# KiCad board output.Panel_R0.5.1_300x300_2layer_step1_Modified_1and5_only.kicad_pcb (continued)
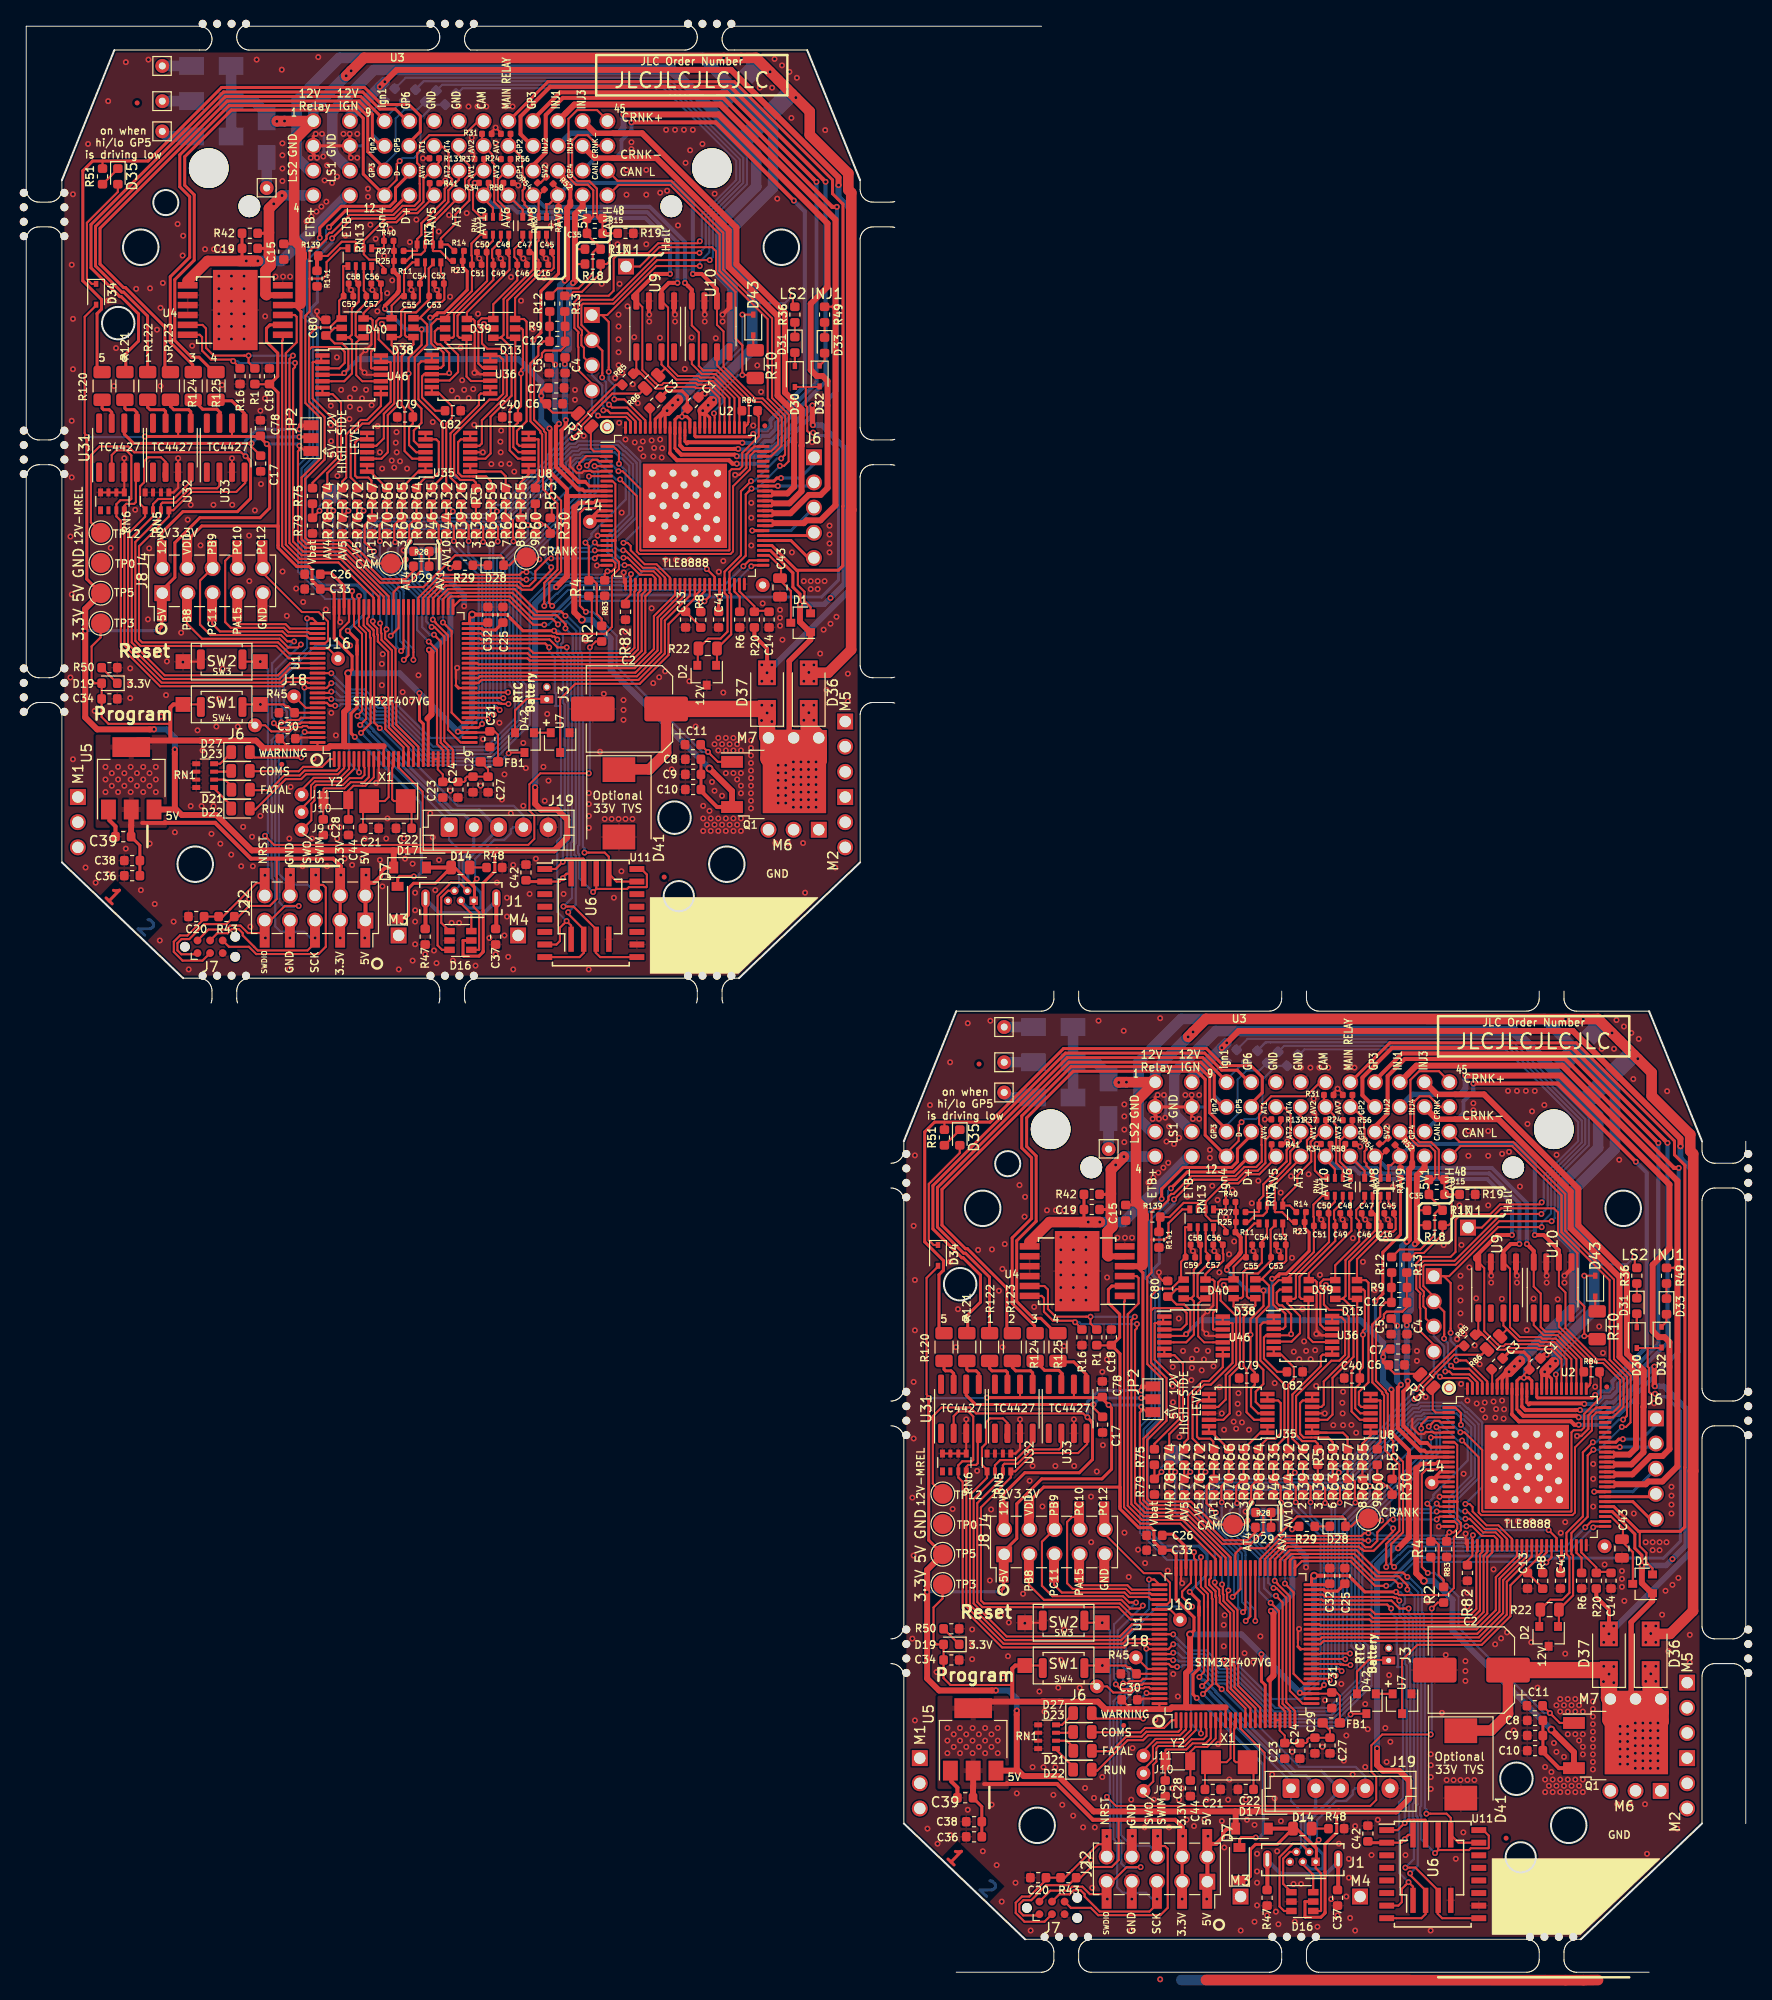
[diagram p0: board, top side]
## Routing (per net, layer and track width the routed paths; a pad name or vN(x,y) marks a point on that pad's centre or on a via; arc(x,y) is an arc through that point) (continued)
/TLE8888-1QK/IGN_OUT_1: length 157.6
  Top w0.203: v1(153,75.2) 148.6,75.2 143.66,70.25 U3#2.J51 ; U3.J51 58.66,167.25 63.6,172.2 v1(68,172.2)
  Top w0.216: U2#2.96 147.5,59.63 145.38,61.74 v1(144.37,61.74) ; v1(143.81,64.54) 143.81,69.57 143.12,70.25 U3#2.J51 ; U3.J51 58.12,167.25 58.81,166.57 v1(58.81,161.54) ; v1(59.37,158.74) 60.38,158.74 62.5,156.63 U2.96
  Bottom w0.203: R21#2.2 125.15,93.85 125.65,93.85 ; 125.65,93.85 149.65,93.85 157.4,86.1 157.4,83.59 153.96,80.15 153.96,76.58 153,75.62 v1(153,75.2) ; 125.65,93.85 125.1,93.85 124.4,93.15 124.4,93 ; R21.2 40.15,190.85 40.65,190.85 ; 40.65,190.85 64.65,190.85 72.4,183.1 72.4,180.59 68.96,177.15 68.96,173.58 68,172.62 v1(68,172.2) ; 40.65,190.85 40.1,190.85 39.4,190.15 39.4,190
  Bottom w0.216: v1(144.37,61.74) 144.37,63.15 143.81,63.72 v1(143.81,64.54) ; v1(58.81,161.54) 58.81,160.72 59.37,160.15 v1(59.37,158.74)
/TLE8888-1QK/IGN_OUT_2: length 163.8
  Top w0.203: U3#2.J52 142.1,68.2 141.05,69.25 141.05,71.26 141.19,71.4 144.3,71.4 148.7,75.8 v1(154,75.8) ; v1(69,172.8) 63.7,172.8 59.3,168.4 56.19,168.4 56.05,168.26 56.05,166.25 57.1,165.2 U3.J52
  Top w0.216: U3#2.J52 143.16,66.65 143.16,64.4 143.14,64.38 v1(143.14,63.95) ; v1(143.84,61.21) 144.14,60.91 145.67,60.91 147,59.58 U2#2.97 ; U3.J52 58.16,163.65 58.16,161.4 58.14,161.38 v1(58.14,160.95) ; U2.97 62,156.58 60.67,157.91 59.14,157.91 v1(58.84,158.21)
  Bottom w0.203: R33#2.2 123.31,94.21 149.8,94.21 157.76,86.25 157.76,83.45 154.31,80 154.31,76.11 v1(154,75.8) ; v1(69,172.8) 69.31,173.11 69.31,177 72.76,180.45 72.76,183.25 64.8,191.21 38.31,191.21 R33.2
  Bottom w0.216: v1(143.84,61.21) 143.54,61.51 143.54,63.46 143.14,63.86 v1(143.14,63.95) ; v1(58.84,158.21) 58.54,158.51 58.54,160.46 58.14,160.86 v1(58.14,160.95)
/TLE8888-1QK/IGN_OUT_3: length 151.5
  Top w0.203: U3#2.J53 141.3,65.97 141.3,66.95 141.05,67.21 141.05,68.22 141.1,68.27 141.1,68.7 140.69,69.1 140.69,71.4 141.09,71.8 144.2,71.8 148.93,76.53 v1(152.97,76.53) ; U3.J53 56.3,162.97 56.3,163.95 56.05,164.21 56.05,165.22 56.1,165.27 56.1,165.7 55.69,166.1 55.69,168.4 56.09,168.8 59.2,168.8 63.93,173.53 v1(67.97,173.53)
  Top w0.216: U2#2.98 146.5,59.54 145.7,60.35 143.97,60.35 143.69,60.63 v1(143.26,60.63) ; U2.98 61.5,156.54 60.7,157.35 58.97,157.35 58.69,157.63 v1(58.26,157.63)
  Bottom w0.203: v1(152.97,76.53) 153.6,77.17 153.6,80.3 157.04,83.74 157.04,85.96 149.5,93.5 127,93.5 R80#2.2 ; v1(67.97,173.53) 68.6,174.17 68.6,177.3 72.04,180.74 72.04,182.96 64.5,190.5 42,190.5 R80.2
  Bottom w0.216: U3#2.J53 142.1,64.2 143.16,63.14 143.16,61.16 143.26,61.06 v1(143.26,60.63) ; U3.J53 57.1,161.2 58.16,160.14 58.16,158.16 58.26,158.06 v1(58.26,157.63)
/TLE8888-1QK/IGN_OUT_4: length 150.2
  Top w0.203: v1(153,77.7) 152.8,77.5 148.8,77.5 147.8,76.5 144.85,76.5 144.3,75.95 144.3,72.7 143.8,72.2 140.8,72.2 140.75,72.15 140.75,71.96 140.34,71.55 140.34,68.96 140.75,68.55 140.75,68.42 140.69,68.37 140.69,67.06 140.75,67.01 140.75,64.69 142.1,63.33 U3#2.J54 ; U3.J54 57.1,160.33 55.75,161.69 55.75,164.01 55.69,164.06 55.69,165.37 55.75,165.42 55.75,165.55 55.34,165.96 55.34,168.55 55.75,168.96 55.75,169.15 55.8,169.2 58.8,169.2 59.3,169.7 59.3,172.95 59.85,173.5 62.8,173.5 63.8,174.5 67.8,174.5 v1(68,174.7)
  Top w0.216: v1(142.73,60.1) 142.86,59.97 145.55,59.97 146,59.52 U2#2.99 ; v1(57.73,157.1) 57.86,156.97 60.55,156.97 61,156.52 U2.99
  Bottom w0.203: v1(153,77.7) 153.2,77.9 153.2,80.4 156.69,83.89 156.69,85.81 149.36,93.14 148.6,93.14 ; 148.6,93.14 129.04,93.14 128.5,92.6 R81#2.2 ; 148.6,93.14 148.66,93.14 ; v1(68,174.7) 68.2,174.9 68.2,177.4 71.69,180.89 71.69,182.81 64.36,190.14 63.6,190.14 ; 63.6,190.14 63.66,190.14 ; 63.6,190.14 44.04,190.14 43.5,189.6 R81.2
  Bottom w0.216: v1(142.73,60.1) 142.1,60.73 U3#2.J54 ; U3.J54 57.1,157.73 v1(57.73,157.1)
/TLE8888-1QK/IN_9: length 53.7
  Top w0.216: U1#2.41 146.43,34.62 148.37,36.55 148.37,39.88 150.5,42.01 U2#2.36 ; U2.36 65.5,139.01 63.37,136.88 63.37,133.55 61.43,131.62 U1.41
/TLE8888-1QK/IN_10: length 55.1
  Top w0.216: U1#2.40 130.56,34.12 130.61,34.16 146.5,34.16 148.74,36.4 148.74,39.72 151,41.99 U2#2.37 ; U1.40 45.56,131.12 45.61,131.16 61.5,131.16 63.74,133.4 63.74,136.72 66,138.99 U2.37
/TLE8888-1QK/IN_11: length 56.6
  Top w0.216: U2#2.38 151.5,41.97 149.1,39.57 149.1,36.25 146.65,33.79 130.82,33.79 130.64,33.62 U1#2.39 ; U2.38 66.5,138.97 64.1,136.57 64.1,133.25 61.65,130.79 45.82,130.79 45.64,130.62 U1.39
/TLE8888-1QK/IN_12: length 58
  Top w0.216: U1#2.38 130.66,33.12 130.97,33.43 146.81,33.43 149.47,36.09 149.47,39.42 152,41.94 U2#2.39 ; U1.38 45.66,130.12 45.97,130.43 61.81,130.43 64.47,133.09 64.47,136.42 67,138.94 U2.39
/TLE8888-1QK/INJ_EN: length 49.5
  Top w0.203: U2#2.24 144.19,45.5 144.48,45.21 144.48,44.77 144.1,44.39 v1(143.68,44.39) 143.4,44.11 R83#2.1 ; v1(135.5,44.32) 135.08,44.32 134.8,44.04 126.91,44.04 124.59,41.73 U1#2.58 ; v1(50.5,141.32) 50.08,141.32 49.8,141.04 41.91,141.04 39.59,138.73 U1.58 ; U2.24 59.19,142.5 59.48,142.21 59.48,141.77 59.1,141.39 v1(58.68,141.39) 58.4,141.11 R83.1
  Bottom w0.203: v1(143.68,44.39) 143.36,44.07 136.17,44.07 135.92,44.32 v1(135.5,44.32) ; v1(58.68,141.39) 58.36,141.07 51.17,141.07 50.92,141.32 v1(50.5,141.32)
/TLE8888-1QK/INJ_IN_1: length 47
  Top w0.216: U1#2.45 135.73,36.62 136.19,36.15 145.88,36.15 146.4,36.66 146.4,42.33 146.5,42.43 U2#2.28 ; U1.45 50.73,133.62 51.19,133.15 60.88,133.15 61.4,133.66 61.4,139.33 61.5,139.43 U2.28
/TLE8888-1QK/INJ_IN_2: length 48.3
  Top w0.216: U1#2.44 135.62,36.12 135.99,35.75 146,35.75 146.77,36.51 146.77,42.18 147,42.41 U2#2.29 ; U1.44 50.62,133.12 50.99,132.75 61,132.75 61.77,133.51 61.77,139.18 62,139.41 U2.29
/TLE8888-1QK/INJ_IN_3: length 49.5
  Top w0.216: U1#2.43 135.6,35.62 135.84,35.38 146.15,35.38 147.13,36.36 147.13,42.03 147.5,42.39 U2#2.30 ; U2.30 62.5,139.39 62.13,139.03 62.13,133.36 61.15,132.38 50.84,132.38 50.6,132.62 U1.43
/TLE8888-1QK/INJ_IN_4: length 50.8
  Top w0.216: U1#2.42 130.56,35.12 130.67,35.01 146.3,35.01 147.5,36.21 147.5,41.87 148,42.37 ; 148,42.37 U2#2.31 ; 148,42.37 147.99,42.37 ; U2.31 63,139.37 ; 63,139.37 62.5,138.87 62.5,133.21 61.3,132.01 45.67,132.01 45.56,132.12 U1.42 ; 63,139.37 62.99,139.37
/TLE8888-1QK/KEY: length 9.8
  Top w0.216: R20#2.1 158.51,40.86 157,42.37 U2#2.49 ; 158.55,40.41 160.03,40.41 ; R20.1 73.51,137.86 72,139.37 U2.49 ; 73.55,137.41 75.03,137.41
/TLE8888-1QK/LIN_RX: length 43.1
  Top w0.203: v1(142.4,45.7) 142.7,46 U2#2.23 ; v1(57.4,142.7) 57.7,143 U2.23
  Top w0.216: U1#2.56 125.59,41.71 127.2,43.33 134.77,43.33 135.2,42.9 135.76,42.9 136.4,43.54 136.4,44.4 137.7,45.7 v1(138,45.7) ; U1.56 40.59,138.71 42.2,140.33 49.77,140.33 50.2,139.9 50.76,139.9 51.4,140.54 51.4,141.4 52.7,142.7 v1(53,142.7)
  Bottom w0.216: v1(142.4,45.7) v1(138,45.7) ; v1(57.4,142.7) v1(53,142.7)
/TLE8888-1QK/LIN_TX: length 44.9
  Top w0.203: v1(142.4,46.5) 142.4,46.5 U2#2.22 ; v1(57.4,143.5) 57.4,143.5 U2.22
  Top w0.216: U1#2.55 126.09,41.69 127.34,42.95 127.41,42.95 127.42,42.96 128.17,42.96 128.17,42.96 134.54,42.96 134.8,42.7 134.88,42.7 135.05,42.53 136.03,42.53 138,44.5 v1(138,44.8) ; U1.55 41.09,138.69 42.34,139.95 42.41,139.95 42.42,139.96 43.17,139.96 43.17,139.96 49.54,139.96 49.8,139.7 49.88,139.7 50.05,139.53 51.03,139.53 53,141.5 v1(53,141.8)
  Bottom w0.216: v1(142.4,46.5) 142.26,46.36 137.78,46.36 137.44,46.02 137.44,45.36 v1(138,44.8) ; v1(53,141.8) 52.44,142.36 52.44,143.02 52.78,143.36 57.26,143.36 v1(57.4,143.5)
/TLE8888-1QK/OUT_7: length 12
  Top w0.305: U3#2.J14 142.5,50 U2#2.15 ; U3#2.J14 141.9,49.65 142.75,50.5 U2#2.14 ; U3#2.J14 142,49.5 U2#2.16 ; U3.J14 56.9,146.65 57.75,147.5 U2.14 ; U3.J14 57,146.5 U2.16 ; U3.J14 57.5,147 U2.15
/TLE8888-1QK/OUT_14: length 13
  Top w0.305: U2#2.68 160.48,53.5 160.78,53.8 v1(161.2,53.8) ; U2.68 75.48,150.5 75.78,150.8 v1(76.2,150.8)
  Bottom w0.305: v1(161.2,53.8) 163.1,53.8 164.53,55.23 U3#2.J61 ; v1(76.2,150.8) 78.1,150.8 79.53,152.23 U3.J61
/TLE8888-1QK/OUT_15: length 10.6
  Top w0.305: v1(160.88,53) 160.87,53 U2#2.67 ; v1(75.88,150) 75.87,150 U2.67
  Bottom w0.305: v1(160.88,53) 160.88,53 164.17,53 U3#2.J62 ; v1(75.88,150) 75.88,150 79.17,150 U3.J62
/TLE8888-1QK/OUT_16: length 16.6
  Top w0.305: 158.3,48.5 v1(158.3,48.5) 159.4,48.5 U2#2.58 ; 73.3,145.5 v1(73.3,145.5) 74.4,145.5 U2.58
  Bottom w0.305: v1(158.3,48.5) 162.21,48.5 U3#2.J63 ; U3.J63 77.21,145.5 v1(73.3,145.5)
/TLE8888-1QK/OUT_17: length 10.5
  Top w0.305: U2.57 79.24,145 79.52,145.28 ; 164.52,48.28 164.24,48 U2#2.57
/TLE8888-1QK/OUT_18: length 11.7
  Top w0.305: U2#2.56 162.2,47.5 163.96,45.74 164.52,45.74 ; 79.52,142.74 78.96,142.74 77.2,144.5 U2.56
/TLE8888-1QK/RST: length 43.9
  Top w0.216: R2#2.1 143.1,39.6 142.6,40.1 142.6,43.15 142.28,43.47 R4#2.2 141.8,46.95 v1(141.46,47.29) ; v1(144.84,55.24) 144.84,56.43 144.28,57 U2#2.1 ; v1(56.46,144.29) 56.8,143.95 56.8,140.48 57.28,140.48 57.6,140.15 57.6,137.1 58.1,136.6 R2.1 ; U2.1 59.28,154 59.84,153.43 v1(59.84,152.24)
  Bottom w0.216: v1(144.84,55.24) 145.52,54.57 145.52,51.63 142.07,48.18 142.07,47.9 v1(141.46,47.29) ; v1(56.46,144.29) 57.07,144.9 57.07,145.18 60.52,148.63 60.52,151.57 v1(59.84,152.24)
/TLE8888-1QK/TLE_MON: length 8.1
  Top w0.203: 142,59.1 142,56.8 142.3,56.5 U2#2.2 ; 57,156.1 57,153.8 57.3,153.5 U2.2
/TLE8888-1QK/VR+: length 113.2
  Top w0.203: R12#2.2 137.85,69.11 ; 137.9,69.11 137.89,69.1 ; 137.85,69.11 137.85,67.61 ; 138.63,46.83 138.63,51.23 137.7,52.17 ; 52.9,166.11 52.89,166.1 ; 52.85,166.11 52.85,164.61 ; R12.2 52.85,166.11 ; 52.7,149.17 53.63,148.23 53.63,143.83
  Top w0.216: v1(157.4,44.9) 158,45.5 U2#2.52 ; C12#2.1 137.23,67.6 136.7,67.07 136.7,66.18 135.9,65.38 135.9,59.54 136.9,58.53 136.9,58.39 137.09,58.2 137.09,54.01 137.17,53.92 137.17,52.69 137.7,52.17 ; 138.63,46.83 138.63,44.55 137.3,43.22 v1(137.3,40.9) ; 52.7,149.17 52.17,149.69 52.17,150.92 52.08,151.01 52.08,155.2 51.9,155.39 51.9,155.53 50.9,156.54 50.9,162.38 51.7,163.18 51.7,164.07 52.23,164.6 C12.1 ; v1(72.4,141.9) 73,142.5 U2.52 ; v1(52.3,137.9) 52.3,140.22 53.63,141.55 53.63,143.83
  Bottom w0.216: v1(137.3,40.9) 138.52,42.12 138.61,42.12 139.48,42.98 145.06,42.98 145.12,42.92 146.25,42.92 146.32,42.99 155.49,42.99 v1(157.4,44.9) ; v1(52.3,137.9) 53.52,139.12 53.61,139.12 54.48,139.98 60.06,139.98 60.12,139.92 61.25,139.92 61.32,139.99 70.49,139.99 v1(72.4,141.9)
/TLE8888-1QK/VR-: length 113.4
  Top w0.203: R13#2.2 139.37,69.11 ; 139,46.98 139,51.52 138,52.52 ; 139.37,69.1 139.37,67.6 ; 54,143.98 54,148.52 53,149.52 ; R13.2 54.37,166.11 ; 54.37,166.1 54.37,164.6
  Top w0.216: 139,46.98 139,44.4 137.8,43.2 137.8,41.2 v1(138.1,40.9) ; U2#2.51 158.3,45 v1(158.2,44.9) ; C12#2.2 139.4,67.12 138.95,66.67 137.35,66.67 137.06,66.39 137.06,66.02 136.27,65.23 136.27,59.69 137.27,58.69 137.27,58.54 137.45,58.36 137.45,54.16 138,53.61 138,52.52 ; v1(73.2,141.9) 73.3,142 U2.51 ; v1(53.1,137.9) 52.8,138.2 52.8,140.2 54,141.4 54,143.98 ; 53,149.52 53,150.61 52.45,151.16 52.45,155.36 52.27,155.54 52.27,155.69 51.27,156.69 51.27,162.23 52.06,163.02 52.06,163.39 52.35,163.67 53.95,163.67 54.4,164.12 C12.2
  Bottom w0.216: v1(138.1,40.9) 139.71,42.51 155.81,42.51 v1(158.2,44.9) ; v1(73.2,141.9) 70.81,139.51 54.71,139.51 v1(53.1,137.9)
/TLE8888-1QK/WAKE: length 5.8
  Top w0.216: 157.03,40.44 157.03,41.82 156.5,42.35 U2#2.48 ; U2.48 71.5,139.35 72.03,138.82 72.03,137.44
/TLE_OUT10_PRE: length 111.9
  Top w0.203: v1(144.96,53.66) 146.64,51.98 146.64,46.4 146.9,46.14 156.1,46.14 156.36,46.4 156.36,52.97 158.07,54.69 158.07,56.05 158.52,56.5 U2#2.74 160.2,56.5 160.9,57.2 160.9,58.04 160.92,58.06 160.92,59.76 159.19,61.49 158.43,61.49 154.74,65.18 154.74,66.53 ; v1(138.05,51) 138.05,49.93 R30#2.1 ; v1(59.96,150.66) 61.64,148.98 61.64,143.4 61.9,143.14 71.1,143.14 71.36,143.4 71.36,149.97 73.07,151.69 73.07,153.05 73.52,153.5 U2.74 75.2,153.5 75.9,154.2 75.9,155.04 75.92,155.06 75.92,156.76 74.19,158.49 73.43,158.49 69.73,162.18 U10.3 ; R30.1 53.05,146.93 v1(53.05,148)
  Bottom w0.203: v1(138.05,51) 140.19,53.14 140.19,55.04 140.59,55.44 141.17,55.44 141.4,55.66 142.53,55.66 144.53,53.66 v1(144.96,53.66) ; v1(59.96,150.66) 59.53,150.66 57.53,152.66 56.4,152.66 56.17,152.44 55.59,152.44 55.19,152.04 55.19,150.14 v1(53.05,148)
/TLE_OUT11_PRE: length 23.6
  Top w0.203: U10#2.1 152.19,65.31 153.21,64.3 154.59,64.3 157,61.89 ; U2#2.77 157,61.89 ; 157,61.89 157,61.11 157.26,60.85 R84#2.1 ; U10.1 67.19,162.31 68.21,161.3 69.59,161.3 72,158.89 ; 72,158.89 72,158.11 72.26,157.85 R84.1 ; 72,158.89 U2.77
/TLE_OUT12_PRE: length 30.2
  Top w0.203: U9#2.3 149.13,65.26 150.65,63.74 ; 150.65,63.74 152.76,63.74 152.91,63.59 154.29,63.59 156,61.88 U2#2.79 ; 150.65,63.74 149.53,64.86 149.48,64.86 R86.1 ; R86#2.1 64.48,161.86 64.53,161.86 65.65,160.74 ; 65.65,160.74 67.76,160.74 67.91,160.59 69.29,160.59 71,158.88 U2.79 ; 65.65,160.74 64.14,162.26 U9.3
/TLE_OUT13_PRE: length 34.1
  Top w0.203: U2#2.81 155,61.88 154,62.88 152.62,62.88 152.5,63 149.47,63 149.3,62.83 148.57,62.83 146.59,64.81 U9#2.1 ; U2.81 70,158.88 69,159.88 67.62,159.88 67.5,160 64.47,160 64.3,159.83 63.57,159.83 61.59,161.81 U9.1
  Top w0.216: R85#2.1 147.07,64.33 147.37,64.03 ; R85#2.1 146.49,64.54 146.86,64.54 146.93,64.47 ; R85#2.1 146.59,64.65 146.59,64.81 ; R85.1 61.49,161.54 61.86,161.54 61.93,161.47 ; R85.1 62.07,161.33 62.37,161.03 ; R85.1 61.59,161.65 61.59,161.81
/USB_D+: length 200
  Top w0.203: v1(118.44,29.79) 118.44,29.84 118.9,30.3 118.9,38.07 118.09,38.89 U1#2.71 118.09,41.59 117.9,41.78 v1(117.9,42.4) ; v1(33.44,126.79) 33.44,126.84 33.9,127.3 33.9,135.07 33.09,135.89 U1.71 33.09,138.59 32.9,138.78 v1(32.9,139.4)
  Top w0.216: D16#2.6 129.93,9.84 128.88,10.9 J1#2.3 ; J1.3 43.88,107.9 44.93,106.84 D16.6
  Top w0.305: v1(115.57,79.11) 117.22,80.77 121.89,80.77 123.45,82.33 123.68,82.33 ; 38.68,179.33 38.45,179.33 36.89,177.77 32.22,177.77 v1(30.57,176.11)
  Bottom w0.203: 113.85,43.45 114.8,42.5 117.8,42.5 v1(117.9,42.4) ; v1(115.57,79.11) 115.27,78.81 115.27,77.67 113.34,75.75 113.34,70.17 113.96,69.56 113.96,55.93 112.79,54.77 112.79,44.51 113.8,43.5 ; v1(30.57,176.11) 30.27,175.81 30.27,174.67 28.34,172.75 28.34,167.17 28.96,166.56 28.96,152.93 27.79,151.77 27.79,141.51 28.8,140.5 ; 28.85,140.45 29.8,139.5 32.8,139.5 v1(32.9,139.4)
  Bottom w0.305: J1#2.3 129.6,10.42 130.84,10.42 130.9,10.48 130.9,11.92 129.58,13.25 129.58,15.32 132.69,18.44 J19#2.3 132.52,18.56 130.77,20.31 128.06,20.31 120.09,28.28 120.09,28.36 118.95,29.49 118.74,29.49 v1(118.44,29.79) ; 123.36,81.82 123.36,82.27 ; 38.36,178.82 38.36,179.27 ; J1.3 44.6,107.42 45.84,107.42 45.9,107.48 45.9,108.92 44.58,110.25 44.58,112.32 47.69,115.44 J19.3 47.52,115.56 45.77,117.31 43.06,117.31 35.09,125.28 35.09,125.36 33.95,126.49 33.74,126.49 v1(33.44,126.79)
/USB_D-: length 206.1
  Top w0.203: 119.3,37.4 119.3,38.18 118.59,38.89 U1#2.70 118.59,41.89 v1(118.6,41.9) ; 119.3,37.4 119.3,36.8 ; 119.3,37.4 119.3,29.48 v1(118.71,28.88) ; 34.3,134.4 34.3,135.18 33.59,135.89 U1.70 33.59,138.89 v1(33.6,138.9) ; 34.3,134.4 34.3,133.8 ; 34.3,134.4 34.3,126.48 v1(33.71,125.88)
  Top w0.216: J1#2.2 128.7,12.97 127.88,12.97 126.53,11.62 126.53,6.64 126.99,6.18 D16#2.3 ; D16.3 41.99,103.18 41.53,103.64 41.53,108.62 42.88,109.97 43.7,109.97 J1.2
  Top w0.305: v1(114.63,78.05) 114.63,79.06 116.8,81.23 121.7,81.23 122.28,81.8 122.28,83.08 123.68,84.49 ; 38.68,181.49 37.28,180.08 37.28,178.8 36.7,178.23 31.8,178.23 29.63,176.06 v1(29.63,175.05)
  Bottom w0.203: v1(118.6,41.9) 118.3,41.6 115.2,41.6 112.44,44.36 112.44,55.04 113.6,56.2 113.6,69.41 112.99,70.03 112.99,76.41 v1(114.63,78.05) ; v1(29.63,175.05) 27.99,173.41 27.99,167.03 28.6,166.41 28.6,153.2 27.44,152.04 27.44,141.36 30.2,138.6 33.3,138.6 v1(33.6,138.9)
  Bottom w0.305: J1#2.2 129.12,12.56 129.12,15.55 130.19,16.62 J19#2.2 130.19,18.86 129.2,19.84 127.88,19.84 119.63,28.09 119.63,28.15 118.89,28.88 v1(118.71,28.88) ; J1.2 44.12,109.56 44.12,112.55 45.19,113.62 J19.2 45.19,115.86 44.2,116.84 42.88,116.84 34.63,125.09 34.63,125.15 33.89,125.88 v1(33.71,125.88)
Net-(C3-Pad2): length 3.9
  Top w0.203: U2#2.95 148,60.79 C3.2 ; U2.95 63,157.79 C3#2.2
Net-(C16-Pad1): length 52.4
  Top w0.203: 138.08,76.6 138.08,77.13 137.53,77.69 RN2#2.8 ; C16.1 53.08,174.13 52.53,174.69 RN2.8
  Top w0.216: 138.08,76.6 138.08,76.28 138.26,76.11 138.26,74.99 138.02,74.75 137.14,74.75 134.35,71.96 D13#2.6 135.25,69.85 135.51,69.59 135.51,59.54 134.54,58.57 134.54,57.29 134.78,57.06 U8#2.5 ; U8.5 49.78,154.06 49.54,154.29 49.54,155.57 50.51,156.54 50.51,166.59 50.25,166.85 D13.6 49.35,168.96 52.14,171.75 53.02,171.75 53.26,171.99 53.26,173.11 53.08,173.28 C16.1
Net-(C17-Pad1): length 44.4
  Top w0.216: v1(107.75,57.3) 107.75,56.97 C17#2.1 ; v1(22.75,154.3) 22.75,153.97 C17.1
  Top w0.305: 112.59,57.97 v1(112.58,57.96) 113.62,57.96 JP2#2.2 ; v1(107.75,57.3) 107.74,57.3 95.84,57.3 94.9,58.24 94.9,59.24 ; v1(22.75,154.3) 22.74,154.3 10.84,154.3 9.9,155.24 9.9,156.24 ; JP2.2 28.62,154.96 v1(27.58,154.96) 27.59,154.97
  Bottom w0.305: v1(112.58,57.96) 108.41,57.96 v1(107.75,57.3) ; v1(27.58,154.96) 23.41,154.96 v1(22.75,154.3)
Net-(C21-Pad1): length 18
  Top w0.203: U1#2.12 121.59,21.6 121.18,21.2 119.62,21.2 119,20.59 C21#2.1 ; U1.12 36.59,118.6 36.18,118.2 X1.2 34,117.59 C21.1
Net-(C22-Pad1): length 17.9
  Top w0.203: 124.21,18.45 123.85,18.45 ; C22#2.1 123.91,20.61 X1#2.1 122.11,21.2 121.94,21.37 121.94,24.53 121.99,24.58 121.99,25.34 U1#2.13 ; 39.21,115.45 38.85,115.45 ; U1.13 36.99,122.34 36.99,121.58 36.94,121.53 36.94,118.37 37.11,118.2 X1.1 38.91,117.61 C22.1
Net-(C25-Pad1): length 7.5
  Top w0.216: 129.77,38.63 U1#2.49 ; 44.77,135.63 U1.49
  Top w0.305: C25#2.1 132.38,38.47 131.13,38.47 130.98,38.62 U1#2.49 ; U1.49 45.98,135.62 46.13,135.47 47.38,135.47 C25.1
Net-(C26-Pad1): length 10.1
  Top w0.305: 114.71,44.22 115.78,44.22 117.09,42.91 U1#2.73 ; U1.73 32.09,139.91 30.78,141.22 29.71,141.22
Net-(C28-Pad1): length 19.9
  Top w0.203: C28#2.1 114.99,21.28 Y2#2.1 115.01,22.4 115.09,22.48 117.12,22.48 117.52,22.88 117.53,22.88 117.75,23.1 119.08,23.1 ; C28.1 29.99,118.28 Y2.1 30.01,119.4 30.09,119.48 32.12,119.48 32.52,119.88 32.53,119.88 32.75,120.1 34.08,120.1
  Top w0.216: 119.08,23.1 119.59,23.61 U1#2.8 ; U1.8 34.59,120.61 34.08,120.1
Net-(C44-Pad2): length 15.8
  Top w0.203: U1#2.9 120.09,23.6 119.23,22.74 118.93,22.74 118.93,22.75 118.03,22.75 117.51,22.22 Y2#2.2 117.53,21.28 C44#2.2 ; U1.9 35.09,120.6 34.23,119.74 33.93,119.74 33.93,119.75 33.03,119.75 32.51,119.23 Y2.2 32.53,118.28 C44.2
Net-(C45-Pad1): length 53.4
  Top w0.203: C45#2.1 136.73,75.8 136.56,75.97 136.56,77.6 136.73,77.76 RN2#2.7 ; RN2.7 51.73,174.76 51.56,174.6 51.56,172.97 51.73,172.8 C45.1
  Top w0.216: 134.71,68.02 134.37,67.68 134.37,61.27 133.81,60.71 133.81,56.59 134.64,55.76 U8#2.3 ; C45#2.1 136.73,74.88 133.56,71.72 133.56,68 133.61,67.95 D13#2.4 ; C45.1 51.73,171.88 48.56,168.72 48.56,165 48.61,164.95 D13.4 ; U8.3 49.64,152.76 48.81,153.59 48.81,157.71 49.37,158.27 49.37,164.68 49.71,165.02
Net-(C46-Pad1): length 56.7
  Top w0.203: RN2#2.6 135.93,77.34 135.79,77.21 C46#2.1 ; C46.1 50.8,174.21 50.93,174.34 RN2.6
  Top w0.216: 132.9,67.95 132.98,67.95 134,66.94 134,62.11 131.88,59.99 131.88,56.28 131.36,55.76 U8#2.12 ; 132.9,67.95 132.9,67.99 132.95,68.04 ; 132.9,67.95 133.19,68.25 133.19,71.87 136.17,74.85 136.17,76.52 136.09,76.6 C46#2.1 ; 132.9,67.95 D13#2.3 ; 47.9,164.95 47.9,164.99 47.95,165.04 ; 47.9,164.95 D13.3 ; 47.9,164.95 48.19,165.25 48.19,168.87 51.17,171.85 51.17,173.52 51.09,173.6 C46.1 ; 47.9,164.95 47.98,164.95 49,163.94 49,159.11 46.88,156.99 46.88,153.28 46.36,152.76 U8.12
Net-(C47-Pad1): length 56.5
  Top w0.203: RN2#2.5 135.13,77.76 134.98,77.62 134.95,77.62 134.28,76.94 134.28,76.11 134.57,75.82 C47#2.1 ; C47.1 49.57,172.82 49.28,173.11 49.28,173.94 49.95,174.62 49.98,174.62 50.13,174.76 RN2.5
  Top w0.216: C47#2.1 134.57,73.77 132.15,71.35 D13#2.1 132.09,69.92 130.98,69.92 130.65,69.59 130.65,69.09 131.02,68.72 131.02,67.38 131.55,66.85 132.85,66.85 133.52,66.18 133.52,62.15 131,59.63 131,57.29 130.76,57.06 U8#2.10 ; C47.1 49.57,170.77 47.15,168.35 D13.1 47.09,166.92 45.98,166.92 45.65,166.59 45.65,166.09 46.02,165.72 46.02,164.38 46.55,163.85 47.85,163.85 48.52,163.18 48.52,159.15 46,156.63 46,154.29 45.76,154.06 U8.10
Net-(C48-Pad1): length 34.2
  Top w0.216: RN4#2.8 133.72,76.68 C48#2.1 133.64,76.28 133.79,76.13 133.79,74.82 129.49,70.53 D39#2.3 130.1,69.85 130.28,69.67 130.28,68.92 130.65,68.55 130.65,65.36 131.08,64.93 U36#2.12 ; U36.12 46.08,161.93 45.65,162.36 45.65,165.55 45.28,165.92 45.28,166.67 45.1,166.85 D39.3 44.49,167.53 48.79,171.82 48.79,173.13 48.64,173.28 C48.1 48.72,173.68 RN4.8
Net-(C49-Pad1): length 39.4
  Top w0.216: RN4#2.7 132.92,77.75 132.03,76.87 132.03,76.03 132.16,75.91 132.16,73.8 128.55,70.2 128.55,68.15 128.74,67.95 D39#2.1 129.45,67.92 129.45,64.05 129.9,63.6 131.76,63.6 131.84,63.52 ; 46.84,160.52 46.76,160.6 44.9,160.6 44.45,161.05 44.45,164.92 D39.1 43.74,164.95 43.55,165.15 43.55,167.2 47.16,170.8 47.16,172.91 47.03,173.03 47.03,173.87 47.92,174.75 RN4.7
Net-(C50-Pad1): length 39.8
  Top w0.216: RN4#2.6 132.12,77.75 131.48,77.11 C50#2.1 131.48,76.28 131.52,76.23 131.52,73.69 128.18,70.35 128.18,68.1 128.03,67.95 D39#2.6 127.31,67.93 127.31,67.52 128.6,66.23 128.6,64.5 127.75,63.65 125.97,63.65 125.94,63.62 ; 40.94,160.62 40.97,160.65 42.75,160.65 43.6,161.5 43.6,163.23 42.31,164.52 42.31,164.93 D39.6 43.03,164.95 43.18,165.1 43.18,167.35 46.52,170.69 46.52,173.23 46.48,173.28 C50.1 46.48,174.11 47.12,174.75 RN4.6
Net-(C51-Pad1): length 36.7
  Top w0.216: RN4#2.5 130.85,78.37 129.95,77.47 129.95,76.26 130,76.21 130,72.69 127.29,69.98 D39#2.4 126.45,69.85 125.88,69.28 125.88,67.4 126.4,66.88 126.7,66.88 127.12,66.46 127.12,65.17 126.88,64.93 U36#2.3 125.94,64.82 ; 40.94,161.82 U36.3 41.88,161.93 42.12,162.17 42.12,163.46 41.7,163.88 41.4,163.88 40.88,164.4 40.88,166.28 41.45,166.85 D39.4 42.29,166.98 45,169.69 45,173.21 44.95,173.26 44.95,174.47 45.85,175.37 RN4.5
Net-(C52-Pad1): length 47.4
  Top w0.216: U35#2.5 124.63,57.06 124.13,57.56 124.13,58.6 124.9,59.37 124.9,60.8 124.22,61.48 124.22,66.02 125.47,67.27 125.47,68.54 125.47,68.55 125.47,69.3 124.84,69.93 124.09,69.93 124.7,69.93 126.35,71.58 126.97,71.58 127.21,71.81 127.21,73.06 127.16,73.11 C52#2.1 127.16,74.21 126.86,74.51 RN3#2.8 ; RN3.8 41.86,171.51 42.16,171.21 C52.1 42.16,170.11 42.21,170.06 42.21,168.81 41.97,168.58 41.35,168.58 39.7,166.93 D38.6 39.84,166.93 40.47,166.3 40.47,165.55 40.47,165.54 40.47,164.27 39.22,163.02 39.22,158.48 39.9,157.8 39.9,156.37 39.13,155.6 39.13,154.56 39.63,154.06 U35.5
Net-(C53-Pad1): length 49.4
  Top w0.216: RN3#2.7 126.06,75.37 125.63,74.95 125.63,72.52 125.68,72.48 C53#2.1 125.68,71.84 124.36,70.52 123.23,70.52 123.23,68.22 123.42,68.03 D38#2.4 124.09,67.29 122.9,66.1 122.9,61.15 123.2,60.85 123.2,56.53 123.97,55.76 U35#2.3 ; U35.3 38.97,152.76 38.2,153.53 38.2,157.85 37.9,158.15 37.9,163.1 39.09,164.29 D38.4 38.42,165.03 38.23,165.22 38.23,167.52 39.36,167.52 40.68,168.84 C53.1 40.68,169.48 40.63,169.52 40.63,171.95 41.06,172.37 RN3.7
Net-(C54-Pad1): length 49.3
  Top w0.216: U35#2.12 120.86,55.76 121.5,56.4 121.5,60.16 122.53,61.19 122.53,66.57 121.89,67.21 D38#2.3 122.68,68.03 122.85,68.2 122.85,70.66 123.21,71.01 124.13,71.01 124.75,71.62 C54#2.1 124.75,73.75 125.26,74.26 RN3#2.6 ; U35.12 35.86,152.76 36.5,153.4 36.5,157.16 37.53,158.19 37.53,163.57 36.89,164.21 D38.3 37.68,165.03 37.85,165.2 37.85,167.66 38.21,168.01 39.13,168.01 39.75,168.62 C54.1 39.75,170.75 40.26,171.26 RN3.6
Net-(C55-Pad1): length 49.3
  Top w0.216: 121.6,70.02 121.8,70.02 121.89,69.93 ; 121.89,69.93 121.43,69.93 ; 121.89,69.93 120.64,69.93 120.34,69.63 120.34,69.09 120.58,68.84 120.58,67.8 122.16,66.22 122.16,61.34 121.1,60.28 121.1,57.81 120.35,57.06 U35#2.10 ; 121.89,69.93 121.89,71.2 122.85,72.16 C55#2.1 123.14,74.72 123.99,75.57 RN3#2.5 ; 36.6,167.02 36.8,167.02 D38.1 ; D38.1 36.43,166.93 ; D38.1 36.89,168.2 37.85,169.16 C55.1 38.14,171.72 38.99,172.57 RN3.5 ; D38.1 35.64,166.93 35.34,166.63 35.34,166.09 35.58,165.84 35.58,164.8 37.16,163.22 37.16,158.34 36.1,157.28 36.1,154.81 35.35,154.06 U35.10
Net-(C56-Pad1): length 27.5
  Top w0.216: RN13#2.8 119.87,74.36 120.81,73.43 120.81,72.54 120.86,72.5 120.86,71.81 120.23,71.19 119.8,71.19 119.05,70.45 D40#2.3 119.8,69.91 119.97,69.74 119.97,68.93 120.21,68.69 120.21,66.96 119.82,66.57 119.82,64.92 119.86,64.87 U46#2.12 ; RN13.8 34.87,171.36 C56.1 35.81,169.54 35.86,169.5 35.86,168.81 35.23,168.19 34.8,168.19 34.05,167.45 D40.3 34.8,166.91 34.97,166.74 34.97,165.93 35.21,165.69 35.21,163.96 34.82,163.57 34.82,161.92 34.86,161.87 U46.12
Net-(C57-Pad1): length 31.1
  Top w0.203: 119.83,63.57 118.93,63.57 118.32,64.18 118.32,67.48 118.85,68.01 D40#2.1 ; 34.83,160.57 33.93,160.57 33.32,161.18 33.32,164.48 33.85,165.01 D40.1
  Top w0.216: 118.32,70.49 118.4,70.57 ; 118.4,70.57 119.33,71.5 C57#2.1 119.33,72.48 119.08,72.73 119.08,74.57 119.07,74.58 RN13#2.7 ; 118.4,70.57 118.26,70.43 118.26,68.19 118.44,68.01 D40#2.1 ; U46#2.10 119.83,63.57 ; 33.4,167.57 33.26,167.43 33.26,165.19 33.44,165.01 D40.1 ; 33.4,167.57 33.32,167.49 ; 33.4,167.57 34.33,168.5 C57.1 34.33,169.48 34.08,169.73 34.08,171.57 34.07,171.58 34.07,172.19 ; U46.10 34.83,160.57
Net-(C58-Pad1): length 32.6
  Top w0.216: RN13#2.6 118.27,73.68 C58#2.1 118.52,73.11 118.57,73.06 118.57,71.61 117.87,70.91 117.87,68.27 117.61,68.01 D40#2.6 117.6,68.01 117.89,67.72 117.89,64.36 117.1,63.57 U46#2.5 ; U46.5 32.1,160.57 32.89,161.36 32.89,164.72 32.6,165.01 D40.6 32.61,165.01 32.87,165.27 32.87,167.91 33.57,168.61 33.57,170.06 33.52,170.11 C58.1 33.27,170.68 RN13.6
Net-(D3-Pad2): length 6.3
  Bottom w1.067: D3#2.2 99.24,88.28 J5#2.1 ; D3.2 14.24,185.28 J5.1
Net-(D4-Pad2): length 6.2
  Bottom w1.067: J3#2.1 D4#2.2 ; J3.1 D4.2
Net-(D5-Pad2): length 5.9
  Bottom w1.067: J13#2.1 D5#2.2 ; J13.1 D5.2
Net-(D6-Pad2): length 5.9
  Bottom w1.067: J12#2.1 D6#2.2 ; J12.1 D6.2
Net-(D14-Pad1): length 3.4
  Top w0.216: D14#2.1 R48#2.2 ; D14.1 R48.2
Net-(D19-Pad1): length 4.5
  Top w0.216: R50#2.2 D19#2.1 ; R50.2 D19.1
Net-(D21-Pad1): length 4.3
  Top w0.216: RN1#2.2 105.05,23.37 105.79,22.63 ; 20.8,119.63 20.05,120.37 RN1.2
Net-(D22-Pad1): length 5.4
  Top w0.216: RN1#2.1 103.96,22.48 105.63,20.81 105.79,20.97 ; 20.8,117.98 20.63,117.81 18.96,119.48 RN1.1
Net-(D23-Pad1): length 3.8
  Top w0.216: RN1#2.3 105.23,24.17 105.34,24.28 105.82,24.28 ; RN1.3 20.23,121.17 20.34,121.28 20.82,121.28
Net-(D27-Pad1): length 4.4
  Top w0.216: RN1#2.4 104.57,24.97 105.7,26.1 105.7,26.1 ; RN1.4 19.57,121.97 20.7,123.1 20.7,123.1
Net-(D28-Pad1): length 3
  Top w0.203: R29#2.1 D28#2.1 ; R29.1 D28.1
Net-(D29-Pad1): length 3
  Top w0.203: D29#2.1 125.68,46.39 R28#2.2 ; D29.1 40.68,143.39 R28.2
Net-(D30-Pad1): length 5.5
  Top w0.203: 162.7,65.1 162.6,65.2 D31#2.2 D30#2.1 ; 77.7,162.1 77.6,162.2 D31.2 D30.1
Net-(D31-Pad1): length 3
  Top w0.203: R36#2.1 D31#2.1 ; R36.1 D31.1
Net-(D32-Pad1): length 2.9
  Top w0.203: D33#2.2 165.6,65.65 D32#2.1 ; D32.1 80.6,162.65 D33.2
Net-(D33-Pad1): length 3
  Top w0.203: R49#2.1 D33#2.1 ; R49.1 D33.1
Net-(D34-Pad1): length 24.1
  Top w0.216: 94.25,83.5 94.25,82.69 91.12,79.56 91.12,73.89 91.61,73.4 D34#2.1 ; 9.25,180.5 9.25,179.69 6.12,176.56 6.12,170.89 6.61,170.4 D34.1
Net-(D35-Pad1): length 4.2
  Top w0.216: R51#2.1 92.71,83.46 94.2,84.95 ; 9.2,181.95 7.71,180.46 R51.1
Net-(D43-Pad1): length 3.4
  Top w0.203: 158.8,66.3 158.7,66.4 ; D43#2.1 158.4,66.9 R10#2.1 ; D43.1 73.4,163.9 R10.1 ; 73.8,163.3 73.7,163.4
Net-(NT1-Pad1): length 5.3
  Top w0.216: NT1#2.1 119.43,39.11 119.43,39.62 119.59,39.78 U1#2.68 ; NT1.1 34.43,136.11 34.43,136.62 34.59,136.78 U1.68
Net-(R5-Pad2): length 38.5
  Top w0.216: U36#2.13 U36#2.14 ; R5#2.2 130.4,53.34 130.13,53.6 128.82,53.6 128.2,54.22 128.2,58.16 131.76,61.72 132.57,61.72 133.15,62.3 133.15,65.74 132.78,66.12 131.84,66.12 ; 46.84,163.12 47.78,163.12 48.15,162.74 48.15,159.3 47.57,158.72 46.76,158.72 43.2,155.16 43.2,151.22 43.82,150.6 45.13,150.6 45.4,150.34 R5.2 ; U36.13 U36.14
Net-(R8-Pad2): length 6.3
  Top w0.216: R8#2.2 153.1,40.83 152.91,41.01 152.91,41.78 153.5,42.37 U2#2.42 ; U2.42 68.5,139.37 67.91,138.78 67.91,138.01 68.1,137.82 R8.2
Net-(R26-Pad2): length 25.7
  Top w0.216: R26#2.2 127.83,53.86 127.83,58.31 130.7,61.18 130.7,62.15 130.88,62.33 U36#2.8 U36#2.9 ; R26.2 42.83,150.86 42.83,155.31 45.7,158.18 45.7,159.15 45.88,159.33 U36.8 U36.9
Net-(R32-Pad2): length 23.2
  Top w0.216: R32#2.2 127.4,59.3 127.98,59.88 127.98,61.05 126.7,62.33 U36#2.7 125.94,62.87 ; 40.94,159.87 U36.7 41.7,159.33 42.98,158.05 42.98,156.88 42.4,156.3 R32.2
Net-(R35-Pad2): length 32
  Top w0.216: R35#2.2 127.03,53.92 127.03,59.3 124.59,61.75 124.59,65.29 124.88,65.58 U36#2.2 125.94,66.12 ; 40.94,163.12 U36.2 39.88,162.58 39.59,162.29 39.59,158.75 42.03,156.3 42.03,150.92 R35.2
Net-(R53-Pad2): length 13.4
  Top w0.216: U8#2.7 U8#2.6 136.69,57.71 136.72,57.68 136.72,53.54 136.4,53.22 R53#2.2 ; R53.2 51.4,150.23 51.72,150.54 51.72,154.68 51.69,154.71 U8.6 U8.7
Net-(R55-Pad2): length 5.3
  Top w0.216: U8#2.2 U8#2.1 135.72,54.17 134.9,53.35 R55#2.2 ; R55.2 49.9,150.35 50.72,151.17 U8.1 U8.2
Net-(R57-Pad2): length 12.6
  Top w0.216: 130.64,54.46 131.31,54.46 ; 130.64,54.46 U8#2.14 U8#2.13 ; 130.64,54.46 132.94,54.46 133.4,54 R57#2.2 ; R57.2 48.4,151 47.94,151.46 45.64,151.46 ; U8.13 U8.14 45.64,151.46 ; 45.64,151.46 46.31,151.46
Net-(R59-Pad2): length 19.7
  Top w0.216: U8#2.8 U8#2.9 128.88,57.71 128.6,57.43 128.6,54.34 128.97,53.97 130.13,53.97 ; 130.13,53.97 130.53,53.97 ; 130.13,53.97 131.43,53.97 131.9,53.5 R59#2.2 ; 45.13,150.97 43.97,150.97 43.6,151.34 43.6,154.43 43.88,154.71 U8.9 U8.8 ; 45.13,150.97 46.43,150.97 46.9,150.5 R59.2 ; 45.13,150.97 45.53,150.97
Net-(R64-Pad2): length 16.4
  Top w0.216: U35#2.7 U35#2.6 126.39,57.71 126.65,57.45 126.65,54.38 126.12,53.85 125.29,53.85 124.4,52.96 R64#2.2 ; R64.2 39.4,149.96 40.29,150.85 41.12,150.85 41.65,151.38 41.65,154.45 41.39,154.71 U35.6 U35.7
Net-(R65-Pad2): length 7.5
  Top w0.216: U35#2.2 U35#2.1 124.57,54.46 R65#2.2 ; R65.2 39.57,151.46 U35.1 U35.2
Net-(R66-Pad2): length 6.7
  Top w0.216: R66#2.2 119.73,54.46 U35#2.14 U35#2.13 ; U35.13 U35.14 34.73,151.46 R66.2
Net-(R67-Pad2): length 15.9
  Top w0.216: U35#2.8 U35#2.9 118.51,57.71 118.2,57.4 118.2,54.05 118.4,53.85 119.55,53.85 119.85,53.55 119.85,52.84 R67#2.2 ; U35.8 U35.9 33.51,154.71 33.2,154.4 33.2,151.05 33.4,150.85 34.55,150.85 34.85,150.55 34.85,149.84 R67.2
Net-(R72-Pad2): length 33.4
  Top w0.216: U46.14 U46.13 36.74,162.52 36.79,162.48 36.79,158.49 34.6,156.3 33.93,156.3 32.75,155.12 32.75,150.88 33.4,150.23 R72.2 ; U46#2.14 U46#2.13 121.74,65.52 121.79,65.48 121.79,61.49 119.6,59.3 118.93,59.3 117.75,58.12 117.75,53.88 118.4,53.22 R72#2.2
Net-(R73-Pad2): length 24.2
  Top w0.216: U46.9 U46.8 35.8,158.08 34.39,156.67 33.77,156.67 32.3,155.2 32.3,150.85 31.9,150.45 R73.2 ; U46#2.9 U46#2.8 120.8,61.08 119.39,59.67 118.77,59.67 117.3,58.2 117.3,53.85 116.9,53.45 R73#2.2
Net-(R74-Pad2): length 24.3
  Top w0.216: R74#2.2 115.4,54.3 116.78,55.68 116.78,61.42 115.93,62.27 U46#2.7 114.9,62.8 114.78,62.92 ; 29.78,159.92 29.9,159.8 U46.7 30.93,159.27 31.78,158.42 31.78,152.68 30.4,151.3 R74.2
Net-(R75-Pad2): length 32.8
  Top w0.216: 29.78,163.17 29.78,162.52 ; 114.78,66.17 114.78,65.52 ; U46#2.2 113.96,65.52 113.92,65.48 113.92,61.84 116.41,59.35 116.41,55.84 113.9,53.33 R75#2.2 ; R75.2 28.9,150.32 31.41,152.84 31.41,156.35 28.92,158.84 28.92,162.48 28.96,162.52 U46.2
Net-(R120-Pad2): length 6.4
  Top w0.305: 93.52,59.34 U31#2.7 93.63,60.44 93.37,60.7 92.8,60.7 92.66,60.84 R120#2.2 ; 8.52,156.34 U31.7 8.63,157.44 8.37,157.7 7.8,157.7 7.66,157.84 R120.2
Net-(R121-Pad2): length 6.7
  Top w0.305: U31#2.5 96.17,60.43 95.9,60.7 95.1,60.7 94.96,60.84 R121#2.2 ; R121.2 9.96,157.84 10.1,157.7 10.9,157.7 11.17,157.43 U31.5
Net-(R122-Pad2): length 7.9
  Top w0.305: U32#2.7 99.06,60.54 98.9,60.7 97.5,60.7 97.26,60.94 R122#2.2 ; R122.2 12.26,157.94 12.5,157.7 13.9,157.7 14.06,157.54 U32.7
Net-(R123-Pad2): length 8.2
  Top w0.305: U32#2.5 101.6,60.5 101.4,60.7 99.9,60.7 99.56,61.04 R123#2.2 ; R123.2 14.56,158.04 14.9,157.7 16.4,157.7 16.6,157.5 U32.5
Net-(R124-Pad2): length 8.8
  Top w0.305: R124#2.2 102.81,60.75 104.25,60.75 104.6,60.4 104.5,60.3 U33#2.7 ; R124.2 17.81,157.75 19.25,157.75 19.6,157.4 19.5,157.3 U33.7
Net-(R125-Pad2): length 9
  Top w0.305: 107.1,59.33 107.09,59.34 U33#2.5 107,59.38 107,60.35 105.75,61.6 104.26,61.6 R125#2.2 ; R125.2 19.26,158.6 20.75,158.6 22,157.35 22,156.38 U33.5 22.09,156.34 22.1,156.32
Net-(R139-Pad1): length 13.1
  Top w0.216: R139#2.1 115.42,76.22 116.86,77.65 118.23,77.65 118.27,77.61 118.27,76.99 ; R139.1 30.42,173.22 31.86,174.65 33.23,174.65 33.27,174.61 RN13.3
  Top w0.406: R141#2.1 114.35,76.09 R139#2.1 ; R139.1 29.36,173.09 R141.1

## Copper pours and planes (outline as drawn; the poured copper is in the pictures)
/12V_KEY on Bottom: 73.73,132.55 75.86,132.55 75.86,129.76 73.75,129.76
/12V_KEY on Bottom: 158.73,35.55 160.86,35.55 160.86,32.76 158.75,32.76
/12V_MREL on Bottom: 77.97,132.58 80.05,132.58 80.05,129.74 77.97,129.74
/12V_MREL on Bottom: 162.97,35.58 165.05,35.58 165.05,32.74 162.97,32.74
/12V_SAFE on Bottom: 72.51,116.45 80.97,116.45 80.97,128.62 72.56,128.62
/12V_SAFE on Bottom: 157.51,19.45 165.97,19.45 165.97,31.62 157.56,31.62
/ADC/AGND on Top: 27.81,150.65 52.7,150.65 52.8,141.5 27.81,141.4
/ADC/AGND on Top: 112.81,53.65 137.7,53.65 137.8,44.5 112.81,44.4
/VDD on Top: 7,124.9 14.2,124.9 14.2,115.5 7,115.5
/VDD on Top: 92,27.9 99.2,27.9 99.2,18.5 92,18.5
/VDD on Bottom: 7,124.9 14.1,124.9 14.1,115.5 7.1,115.5
/VDD on Bottom: 92,27.9 99.1,27.9 99.1,18.5 92.1,18.5
GND on Top: 85,99.4 3,99.4 3,194.4 85,194.4
GND on Top: 170,2.4 88,2.4 88,97.4 170,97.4
GND on Bottom: 85,99.4 3,99.4 3,194.4 85,194.4
GND on Bottom: 170,2.4 88,2.4 88,97.4 170,97.4

## Text on the board
Bottom: 2
B.SilkS: 12V-IGN Ignition / power use 1A fuse / 12V-Relay main relay / output use 5A fuse | GND | AV11 | IGN1 | IGN2 | IGN3 | IGN4 | Freewheel / diodes | R0.1 PCB DESIGN BY OLA RUUD / R0.2 PCB DESIGN BY DAECU / R0.3 PCB DESIGN BY DAECU / R0.4 PCB DESIGN BY DBECKER / R0.5 PCB DESIGN BY COMMUNITY | fire extinguisher / is required | microRusEfi / R0.5.1-2L | RUSEFI.COM | micro / rusEFI
Top: 1
F.Fab: MLCC | All
F.SilkS: 5 | TC4427 | on when / hi/lo GP5 / is driving low | 6 | 3.3V | 1 | 2 | 5V | 3 | 4 | RUN | COMS | FATAL | WARNING | STM32F407VG | + | TLE8888 | JLC Order Number | GND | 12V-MREL | AV4 | 9 | Hall | 12V | AV5 | V5 | AT1 | AT4 | AV1 | AV10 | 7 | 8 | Vbat | RTC / Battery | CAM | CRANK | HIGH-SIDE / LEVEL | Optional / 33V TVS | LS2 | INJ1 | Program | Reset | JLCJLCJLCJLC
